# KiCad board pcb.kicad_pcb (continued)
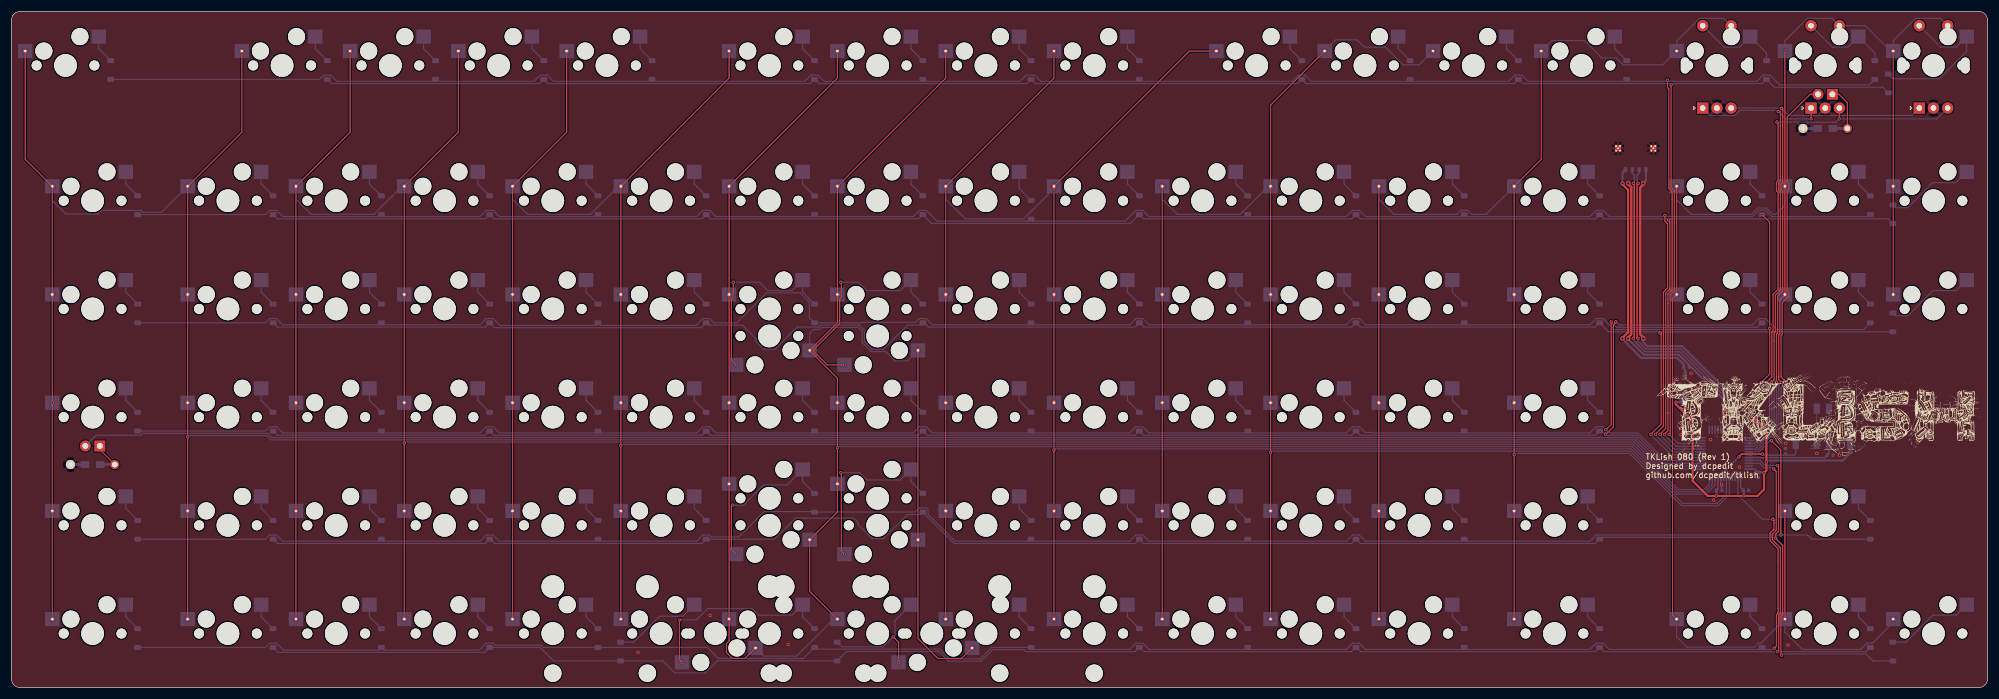
[diagram p0: board, top side]
## Nets (continued)
Net-(D93-A): D93.2 MX93.2
Net-(D94-A): D94.2 MX94.2 SWR2.S2
Net-(D95-A): D95.2 MX95.2
Net-(D96-A): D96.2 MX96.2
Net-(D97-A): D97.2 MX97.2
Net-(D98-A): D98.2 MX98.2
Net-(D99-A): D99.2 MX99.2
Net-(D100-A): D100.2 MX100.2 SWR3.S2
Net-(D101-A): D101.2 MX101.2
Net-(D102-A): D102.2 MX102.2
Net-(D103-A): D103.2 MX103.2
Net-(D104-A): D104.2 MX104.2
Net-(D105-A): D105.2 MX105.2
Net-(MX13-LEDGND): MX13.4 R2.1
Net-(MX94-LEDGND): MX94.4 R3.1

Pads without a net: U1 3 4 25 26 27 28 29 30

## Via types
v1: diameter 0.6, hole 0.3, Top to Bottom, 91 vias
v2: diameter 0.8, hole 0.4, Top to Bottom, 6 vias

## Routing (per net, layer and track width the routed paths; a pad name or vN(x,y) marks a point on that pad's centre or on a via; arc(x,y) is an arc through that point)
+3V3: length 86.4
  Top w0.381: v1(292.83,50.26) 292.83,49.88 295.75,46.96 v1(295.75,45.59) 295.75,36.42 298.42,33.75 v1(299.94,33.75) v1(304.77,33.75) 307.18,33.75 308.32,34.89 v1(308.32,37.81) 308.74,38.23 v1(308.74,39.75) 308.74,45.4 307.05,47.09 v1(305.78,47.09)
  Bottom w0.254: C9.2 304.74,46.93 304.22,46.41 U1.36 ; C6.1 304.22,35.22 U1.1 ; U1.48 306.73,38.49 C7.1 ; C4.1 296.3,43.99 U1.24 ; U1.9 300.22,35.01 C5.1
  Bottom w0.381: SW1.1 SW1.1 ; v1(295.75,45.59) C4.1 ; C5.1 299.94,34.74 v1(299.94,33.75) ; 293.53,53.01 293.53,51.75 C3.1 C2.1 v1(292.83,50.26) ; C6.1 304.77,34.67 v1(304.77,33.75) ; v1(308.32,37.81) 308.23,37.91 C7.1 ; v1(308.74,39.75) 308.96,39.98 322.17,39.98 323.51,41.32 323.51,42.91 ; v1(305.78,47.09) C9.2
+5V: length 45.4
  Top w0.381: v2(283.42,61.47) 283.42,61.59 284.4,62.56 284.4,87.63 283.42,88.6 v2(283.42,88.77)
  Bottom w0.381: C8.2 294.19,56.93 293.08,58.04 286.74,58.04 283.42,61.35 v2(283.42,61.47) ; 294.19,56.14 294.48,55.85 294.48,54.88 ; v2(283.42,88.77) 283.42,90.67 J1.1
GND: length 119.3
  Top w0.381: v2(284.42,61.47) 284.42,61.67 284.98,62.23 284.98,88.14 284.42,88.7 v2(284.42,88.77) ; v2(287.08,61.47) 287.08,61.67 286.52,62.23 286.52,88.01 287.08,88.57 v2(287.08,88.77)
  Bottom w0.2: SW2.1 SW2.1
  Bottom w0.254: U1.35 303.72,47.02 C9.1 ; U1.8 300.72,35.83 v1(300.86,35.69) 300.86,34.83 C5.2
  Bottom w0.381: 300.93,35.62 v1(300.86,35.69) ; v1(301.59,48.67) 301.59,50.35 295.52,56.42 C8.1 295.15,56.79 293.32,58.62 287.2,58.62 284.42,61.39 v2(284.42,61.47) 284.42,61.32 ; 294.69,59.36 303.34,50.7 v1(303.34,48.61) 303.23,48.72 ; 294.69,59.36 295.07,58.98 ; 294.69,59.36 293.94,60.11 287.81,60.11 287.08,60.85 v2(287.08,61.47) ; C2.2 C3.2 295.43,52 295.43,53.01 ; v2(287.08,88.77) 287.55,89.25 J1.4
  vias: v1(110.24,6.22) v1(122.94,12.7) v1(136.65,7.62) v1(293.72,45.69) v1(293.72,44.55) v1(295.5,55.34) v1(295.88,51.4) v1(295.88,50.26) v1(296.39,52.8) v1(298.93,43.66) v1(299.47,33.02) v1(300.45,38.83) v1(304.01,43.66) v1(304.01,38.83) v1(312.13,43.02) v1(312.55,7.49) v1(317.6,41.24) v1(321.6,40.93)
BOOT0: length 22.3
  Bottom w0.2: SW1.2 SW1.2
  Bottom w0.254: U1.44 319,40.49 R1.2 319.75,41.24 SW1.2
COL0: length 504.2
  Top w0.2: 31.01,44.2 MX19.1 MX18.1 MX17.1 40.54,97.79 MX16.1 ; 31.01,44.2 MX20.1 MX21.1 ; 31.01,44.2 v1(31.01,44.18) ; MX10.1 2.44,93.03 MX11.1 MX12.1 v1(7.2,50.17) MX14.1 MX15.1
  Bottom w0.2: MX17.1 30.99,88.27 26.41,83.68 23.17,83.68 22.82,84.03 15.91,84.03 15.26,83.38 9.58,83.38 7.2,85.76 MX11.1 ; U1.14 290.26,38.99 285.62,43.63 45.67,43.63 44.92,44.38 31.22,44.38 v1(31.01,44.18)
COL1: length 462.6
  Top w0.2: MX27.1 MX26.1 MX25.1 MX24.1 MX23.1 59.59,97.79 MX22.1 ; 69.11,43.05 MX31.1 MX30.1 MX29.1 69.11,88.29 78.64,97.82 MX28.1 ; 69.11,43.05 MX32.1 MX33.1 ; 69.11,43.05 v1(69.11,43.03)
  Bottom w0.2: U1.13 290.19,38.49 285.46,43.23 69.31,43.23 v1(69.11,43.03) ; MX29.1 68.72,88.27 63.79,83.33 52.73,83.33 50.06,86 MX23.1
COL2: length 432.9
  Top w0.2: 107.22,42.67 MX44.1 MX45.1 ; 107.22,42.67 v1(107.22,42.63) ; 107.22,42.67 MX43.1 MX42.1 MX41.1 126.27,107.32 MX40.1 ; MX39.1 MX38.1 MX37.1 MX36.1 MX35.1 97.69,97.79 MX34.1
  Bottom w0.2: v1(107.22,42.63) 107.41,42.83 285.29,42.83 293.25,34.87 297.78,34.87 298.72,35.81 U1.12 ; MX41.1 106.82,88.27 101.89,83.33 90.83,83.33 88.16,86 MX35.1
COL3: length 502.5
  Top w0.2: 145.31,42.16 v1(145.31,42.23) ; 145.31,42.16 MX55.1 145.31,54.46 140.43,59.34 MX48.15.1 145.31,64.25 MX54.1 MX53.1 164.36,107.32 MX52.1 ; 145.31,42.16 MX56.15.1 145.31,30.92 MX50.1 140.43,16.95 MX57.1 ; MX46.1 145.31,107.32 MX47.1 MX48.1 MX49.1 MX50.15.1 MX51.1 126.27,8.23 125.78,7.75 125.78,6.17 126.82,5.14 129.06,5.14 MX51.2.1 ; MX57.2.1 167.16,5.14 163,5.14 159.48,8.65 MX56.1 MX54.15.1
  Bottom w0.2: v1(145.31,42.23) 145.52,42.43 285.13,42.43 293.08,34.47 297.94,34.47 298.18,34.71 ; MX51.2.1 132.36,5.54 138.12,5.54 144.65,12.07 MX57.1 ; MX48.15.1 140.43,62.33 141.19,63.08 142.18,63.08 142.53,63.43 148.98,63.43 149.66,62.76 149.66,60.78 151.26,59.17 153.8,59.17 155.44,57.52 157.64,57.52 MX54.15.1 ; 298.18,34.71 299.22,35.75 U1.11
COL4: length 369.9
  Top w0.2: 183.41,41.53 v1(183.41,41.83) ; 183.41,41.53 MX68.1 MX69.1 ; 183.41,41.53 MX67.1 MX66.1 MX65.1 207.23,112.08 MX64.1 ; MX63.1 MX62.1 MX61.1 MX60.1 MX59.1 183.41,107.32 MX58.1
  Bottom w0.2: MX59.1 164.36,86 167.83,82.54 178.09,82.54 183.41,87.86 MX65.1 ; U1.10 299.72,35.68 298.58,34.54 298.11,34.07 292.92,34.07 284.96,42.03 183.61,42.03 v1(183.41,41.83)
COL5: length 315.2
  Top w0.2: 221.52,41.4 MX79.1 MX78.1 MX77.1 221.52,102.55 MX70.1 ; 221.52,41.4 v1(221.52,41.43) ; 221.52,41.4 MX80.1 MX81.1 ; MX75.1 MX74.1 MX73.1 MX72.1 MX71.1
  Bottom w0.2: U1.6 301.72,34.05 300.08,32.42 294,32.42 284.79,41.63 221.72,41.63 v1(221.52,41.43) ; MX71.1 202.47,86 205.13,83.33 216.19,83.33 221.12,88.27 MX77.1 ; MX70.1 233.01,114.05 236.73,114.05 238.01,112.77 241.71,112.77 244.83,109.64 247.66,109.64 MX76.1
COL6: length 294.5
  Top w0.2: 264.38,41.02 MX92.1 MX93.1 ; 264.38,41.02 v1(264.38,41.03) ; 264.38,41.02 MX91.1 MX90.1 MX89.1 269.14,93.03 MX82.1 ; MX87.1 MX86.1 MX85.1 MX84.1 MX83.1
  Bottom w0.2: SWR1.S1 301.24,117.84 297,117.84 292.95,113.79 MX88.1 290.52,109.64 283.56,109.64 282.34,110.87 279.78,110.87 276.72,113.93 270.99,113.93 MX82.1 ; MX83.1 240.56,86 243.23,83.33 254.29,83.33 254.99,84.03 256.19,84.03 256.89,83.33 259.44,83.33 MX89.1 ; U1.5 302.22,33.99 300.25,32.02 293.84,32.02 284.63,41.23 264.58,41.23 v1(264.38,41.03)
COL7: length 328.7
  Top w0.2: MX96.1 MX97.1 292.23,68.49 292.23,12.79 MX99.1 ; 310.91,54.99 310.91,54.21 v1(311.4,53.72) ; MX100.1 MX101.1 MX102.1 ; 310.92,54.74 310.92,62.11 311.12,62.31 311.12,68.33 312,69.22 v1(312,112.08) ; 312,31.12 312,12.06
  Bottom w0.2: U1.41 306.76,41.99 310.91,46.15 310.91,53.23 v1(311.4,53.72) ; v1(312,112.08) 312,113.88 315.96,117.84 320.29,117.84 SWR2.S1 326.13,116.54 330.59,112.08 MX100.1 331.05,113.88 335.01,117.84 339.34,117.84 SWR3.S1 ; MX96.1 292.95,85.89 295.51,83.33 306.11,83.33 307.21,84.43 308.74,84.43 309.84,83.33 310.39,83.33 312,84.95 312,88.27 ; MX99.1 292.95,8.93 294.75,7.13 306.68,7.13 307.38,7.83 307.77,7.83 312,12.06 312,9.8 315.07,6.73 325.37,6.73 325.37,6.78 326.43,7.83 327.41,7.83 331.05,11.48 MX104.1
D_N: length 56.7
  Top w0.254: v1(285.33,88.77) 285.5,88.6 285.5,61.64 v1(285.33,61.47)
  Bottom w0.254: v1(285.33,88.77) 285.5,88.95 285.5,90.21 285.15,90.56 J1.2 ; v1(285.33,61.47) 285.33,61.22 287.41,59.14 293.54,59.14 302.22,50.46 U1.32
D_P: length 56.6
  Top w0.254: v1(286.17,88.77) 286,88.6 286,61.64 v1(286.17,61.47)
  Bottom w0.254: v1(286.17,88.77) 286,88.95 286,90.21 286.35,90.56 J1.3 ; U1.33 302.72,50.6 293.72,59.59 287.6,59.59 286.17,61.02 v1(286.17,61.47)
LED_CAPS: length 287.4
  Bottom w0.2: MX13.3 14.9,44.43 22.82,44.43 23.17,44.78 45.09,44.78 45.84,44.03 285.79,44.03 290.33,39.49 U1.15
LED_SLCK: length 70.8
  Top w0.2: v1(312.29,53.72) 311.32,54.7 311.32,61.95 311.52,62.15 311.52,67.74 312.7,68.93 312.7,69.55 312.4,69.85 312.4,87.5 312.7,87.8 312.7,88.73 312.4,89.03 312.4,100.45 316.41,104.46 MX94.3
  Bottom w0.2: U1.42 306.83,41.49 311.31,45.98 311.31,52.74 v1(312.29,53.72)
NRST: length 23.1
  Top w0.254: v1(303.88,40.61) 304.39,41.12 v1(308.05,41.12)
  Bottom w0.2: SW2.2 SW2.2
  Bottom w0.254: SW2.2 313.9,41.23 313.62,40.95 312.33,40.95 C1.2 311.94,40.95 308.22,40.95 v1(308.05,41.12) ; U1.7 301.22,37.95 v1(303.88,40.61)
RE1: length 84.9
  Top w0.2: v1(309.63,53.72) 310.12,54.21 310.12,61.09 310.12,62.44 310.32,62.65 310.32,69.09 311.2,69.98 311.2,87.34 310.9,87.64 310.9,88.77 311.2,89.07 311.2,101.38 311.15,101.43 v1(310.82,101.43) ; SWR2.A 316.61,102.01 v1(316.61,100.14)
  Bottom w0.2: v1(309.63,53.72) 310.12,53.23 310.12,46.48 306.63,42.99 U1.39 ; v1(316.61,100.14) 312.12,100.14 v1(310.82,101.43) 310.62,101.64 304.08,101.64 303.18,100.74 298.84,100.74 SWR1.A
RE2: length 97.1
  Top w0.2: v1(310.51,53.72) 310.51,55.16 310.52,55.16 310.52,62.28 310.72,62.48 310.72,68.92 311.6,69.8 311.6,87.5 311.3,87.8 311.3,88.6 311.6,88.9 311.6,101.78 v1(311.4,101.98)
  Bottom w0.2: SWR3.A 334.34,100.74 312.65,100.74 v1(311.4,101.98) 311.35,102.04 SWR1.B ; U1.40 306.7,42.49 310.51,46.31 v1(310.51,53.72)
RE3: length 92.9
  Top w0.2: SWR2.B 321.56,102.01 v1(321.56,100.14) ; v1(308.74,53.72) 309.72,54.7 309.72,62.61 309.92,62.81 309.92,69.26 310.8,70.14 310.8,87.17 310.5,87.47 310.5,88.98 310.8,89.28 310.8,99.41 310.64,99.57 v1(310.6,99.57)
  Bottom w0.2: v1(310.6,99.57) 315.85,99.57 315.88,99.54 320.96,99.54 v1(321.56,100.14) 338.74,100.14 SWR3.B ; U1.38 306.57,43.49 309.72,46.64 309.72,52.74 v1(308.74,53.72)
ROW0: length 391.4
  Top w0.2: v1(290.83,44.58) 290.83,44.63 291.43,45.23 291.43,69.29 292.15,70.02 292.15,87.34 291.57,87.92 291.57,105.41 291.34,105.65 v1(291.34,106.94)
  Bottom w0.2: D10.1 54.21,107.09 54.96,107.84 56.16,107.84 57.26,106.74 74.26,106.74 D22.1 74.96,106.74 91.96,106.74 93.06,107.84 94.26,107.84 95.36,106.74 112.36,106.74 D34.1 113.06,106.74 139.59,106.74 140.69,107.84 141.89,107.84 142.99,106.74 159.99,106.74 D46.1 160.37,107.09 160.72,106.74 177.42,106.74 178.52,107.84 179.99,107.84 181.09,106.74 198.09,106.74 D58.1 198.79,106.74 225.31,106.74 226.41,107.84 227.61,107.84 228.71,106.74 245.71,106.74 D70.1 246.41,106.74 263.41,106.74 264.51,107.84 265.71,107.84 266.81,106.74 283.81,106.74 D82.1 284.51,106.74 290.83,106.74 ; 292.48,106.74 290.83,106.74 ; 292.48,106.74 291.54,106.74 v1(291.34,106.94) 291.14,106.74 290.83,106.74 ; 292.48,106.74 307.07,106.74 308.17,107.84 309.37,107.84 311.1,106.11 326.84,106.11 D94.1 ; U1.21 292.87,42.49 290.83,44.53 v1(290.83,44.58)
ROW1: length 364.4
  Top w0.2: v1(290.89,83.13) 290.89,82.15 291.35,81.68 291.35,70.36 290.63,69.64 290.63,46.03 289.23,44.63 v1(289.23,44.58)
  Bottom w0.2: U1.19 292.27,41.49 289.23,44.53 v1(289.23,44.58) ; 290.7,82.93 281.1,82.93 280,84.03 278.8,84.03 277.7,82.93 255.94,82.93 255.59,83.28 255.24,82.93 238.24,82.93 237.14,84.03 235.94,84.03 234.84,82.93 217.84,82.93 217.49,83.28 217.14,82.93 200.14,82.93 199.04,84.03 197.84,84.03 195.95,82.14 179.74,82.14 D59.1 179.04,82.14 162.83,82.14 160.94,84.03 159.74,84.03 158.64,82.93 141.64,82.93 141.29,83.28 140.94,82.93 123.94,82.93 122.84,84.03 121.64,84.03 120.54,82.93 103.54,82.93 103.19,83.28 102.84,82.93 85.84,82.93 84.74,84.03 83.54,84.03 82.44,82.93 65.44,82.93 65.09,83.28 64.74,82.93 47.74,82.93 46.64,84.03 45.44,84.03 44.69,83.28 22.22,83.28 ; 290.7,82.93 290.89,83.12 v1(290.89,83.13) 291.09,82.93 291.47,82.93 ; 290.7,82.93 291.47,82.93 ; 327.02,83.28 326.67,82.93 309.67,82.93 308.57,84.03 307.38,84.03 306.28,82.93 291.47,82.93
ROW2: length 344.2
  Top w0.2: v1(307.85,53.72) 309.32,55.19 309.32,81.94 v1(307.98,83.28)
  Bottom w0.2: v1(307.85,53.72) 309.32,52.25 309.32,46.81 306.5,43.99 U1.37 ; v1(309.32,63.24) 309.12,63.04 281.94,63.04 280,64.98 278.8,64.98 277.7,63.88 255.94,63.88 D84.1 255.24,63.88 238.24,63.88 237.14,64.98 235.94,64.98 234.84,63.88 217.84,63.88 D72.1 217.14,63.88 200.14,63.88 199.04,64.98 197.84,64.98 196.74,63.88 179.74,63.88 D60.1 179.04,63.88 162.04,63.88 160.94,64.98 159.74,64.98 159.09,64.33 149.71,64.33 149.61,64.23 D48.1 140.39,65.13 140.39,67.87 138.75,69.5 132.87,69.5 127.59,64.23 123.59,64.23 122.84,64.98 121.64,64.98 120.43,63.77 103.65,63.77 D36.1 102.73,63.77 85.94,63.77 84.74,64.98 83.54,64.98 82.44,63.88 65.44,63.88 D24.1 64.74,63.88 47.74,63.88 46.64,64.98 45.44,64.98 44.69,64.23 D12.1
ROW3: length 331.5
  Top w0.2: v1(281.44,64.39) 281.44,46.36 v1(280.5,45.43)
  Bottom w0.2: D97.1 307.19,63.44 282.38,63.44 v1(281.44,64.39) ; U1.17 290.46,40.49 286.12,44.83 281.1,44.83 v1(280.5,45.43) 280,45.93 278.8,45.93 277.7,44.83 255.9,44.83 255.59,45.15 D85.1 255.24,44.83 239.51,44.83 239.4,44.94 238.12,44.94 237.14,45.93 235.94,45.93 234.84,44.83 217.84,44.83 D73.1 217.14,44.83 200.14,44.83 199.04,45.93 197.84,45.93 196.74,44.83 179.7,44.83 179.39,45.15 D61.1 179.04,44.83 162.04,44.83 160.94,45.93 159.74,45.93 158.64,44.83 141.64,44.83 D49.1 140.94,44.83 123.94,44.83 122.84,45.93 121.64,45.93 120.54,44.83 103.54,44.83 D37.1 102.84,44.83 85.84,44.83 84.74,45.93 83.54,45.93 82.44,44.83 65.44,44.83 D25.1 64.74,44.83 47.74,44.83 46.64,45.93 45.44,45.93 44.69,45.18 D13.1
ROW4: length 338.5
  Top w0.2: v1(309.65,43.47) 311.28,41.84 v1(311.28,26.88)
  Bottom w0.2: U1.43 306.89,40.99 309.37,43.47 v1(309.65,43.47) ; D98.1 316.73,26.13 315.98,26.88 v1(311.28,26.88) 278.8,26.88 277.7,25.78 255.9,25.78 255.59,26.1 D86.1 255.24,25.78 238.24,25.78 237.14,26.88 235.94,26.88 234.84,25.78 217.84,25.78 D74.1 217.14,25.78 200.14,25.78 199.04,26.88 197.84,26.88 196.74,25.78 179.74,25.78 D62.1 179.04,25.78 166.02,25.78 161.24,30.56 161.24,31.34 160.94,31.64 159.74,31.64 159.01,30.92 141.31,30.92 D50.1 141.19,30.99 132.42,30.99 127.96,26.53 123.19,26.53 122.84,26.88 121.64,26.88 120.54,25.78 103.54,25.78 D38.1 102.84,25.78 85.84,25.78 84.74,26.88 83.54,26.88 82.44,25.78 65.44,25.78 D26.1 64.74,25.78 47.74,25.78 46.64,26.88 45.44,26.88 44.69,26.13 D14.1
ROW5: length 332.1
  Top w0.2: v1(310.11,6.93) 310.5,7.32 310.5,12.86 310.8,13.16 310.8,24.45 309.39,25.87 309.39,27.2 310.08,27.89 310.08,29.45 v1(309.88,29.65)
  Bottom w0.2: v1(309.88,29.65) 308.02,29.65 303.72,33.95 U1.2 ; v1(310.11,6.93) 309.91,6.73 308.33,6.73 D99.1 307.62,6.73 281.1,6.73 280,7.83 278.8,7.83 277.7,6.73 255.94,6.73 D87.1 255.24,6.73 238.24,6.73 237.14,7.83 235.94,7.83 234.84,6.73 217.84,6.73 D75.1 217.14,6.73 200.14,6.73 199.04,7.83 197.84,7.83 196.74,6.73 179.7,6.73 179.39,7.05 D63.1 172.45,7.08 170.43,5.06 165.02,5.06 163.3,6.78 141.59,6.78 D51.1 139.34,5.14 124.37,5.14 122.43,7.08 D39.1 93.57,7.08 93.17,7.48 85.09,7.48 84.74,7.83 83.54,7.83 82.33,6.62 65.55,6.62 D27.1 64.64,6.64 64.64,6.62 47.84,6.62 46.64,7.83 45.44,7.83 44.69,7.08 D15.1
ROW6: length 349.3
  Top w0.2: v1(291.97,106.14) 291.97,88.08 292.55,87.5 292.55,69.85 291.83,69.13 291.83,44.78 v1(291.63,44.58)
  Bottom w0.2: v1(291.63,44.58) 293.21,42.99 U1.22 ; D16.1 56.31,106.34 92.91,106.34 D28.1 94.41,106.34 140.54,106.34 D40.1 142.04,106.34 178.64,106.34 D52.1 180.14,106.34 226.26,106.34 D64.1 227.76,106.34 264.36,106.34 D76.1 265.86,106.34 291.21,106.34 ; D100.1 329.2,105.71 310.15,105.71 D88.1 308.02,106.34 292.48,106.34 ; 291.21,106.34 291.77,106.34 v1(291.97,106.14) 292.17,106.34 292.48,106.34 ; 291.21,106.34 292.48,106.34
ROW7: length 337.8
  Top w0.2: v1(290.03,44.58) 290.03,44.63 291.03,45.63 291.03,69.46 291.75,70.18 291.75,82.14 291.56,82.33 v1(291.55,82.33)
  Bottom w0.2: 291.21,82.53 291.85,82.53 ; 291.21,82.53 291.35,82.53 v1(291.55,82.33) 291.75,82.53 291.85,82.53 ; 291.21,82.53 280.18,82.53 279.43,83.28 279.4,83.28 278.65,82.53 237.29,82.53 236.54,83.28 235.79,82.53 199.19,82.53 198.44,83.28 196.89,81.74 161.88,81.74 160.34,83.28 159.59,82.53 122.99,82.53 122.24,83.28 121.49,82.53 84.89,82.53 84.14,83.28 83.39,82.53 46.79,82.53 46.04,83.28 ; 291.85,82.53 330.2,82.53 330.99,81.74 D101.1 ; v1(290.03,44.58) 290.03,44.53 292.57,41.99 U1.20
ROW8: length 327.4
  Top w0.2: v1(288.43,44.58) 288.43,44.63 290.23,46.43 290.23,62.24 v1(290.03,62.44)
  Bottom w0.2: v1(288.43,44.58) 288.43,44.53 291.97,40.99 U1.18 ; 289.81,62.64 280.99,62.64 D90.1 278.65,63.48 237.29,63.48 D78.1 235.79,63.48 199.19,63.48 D66.1 197.69,63.48 161.37,63.48 160.62,64.23 D54.1 159.94,63.83 157.67,63.83 153.4,59.57 151.43,59.57 150.06,60.94 150.06,62.92 149.15,63.83 142.37,63.83 142.02,63.48 138.23,63.48 134.32,59.57 132.38,59.57 131.01,60.94 131.01,61.4 128.57,63.83 122.64,63.83 D42.1 121.38,63.37 85,63.37 D30.1 83.39,63.48 46.79,63.48 D18.1 ; 289.81,62.64 290.32,62.64 ; 289.81,62.64 290.01,62.44 v1(290.03,62.44) 290.23,62.64 290.32,62.64 ; 290.32,62.64 D102.1
ROW9: length 324.5
  Top w0.2: v1(282.26,64.41) 282.11,64.26 282.11,64.16 281.84,63.88 281.84,45.91 280.56,44.63 v1(280.42,44.63)
  Bottom w0.2: U1.16 290.39,39.99 285.95,44.43 280.62,44.43 v1(280.42,44.63) 279.87,45.18 D91.1 278.65,44.43 237.29,44.43 D79.1 235.79,44.43 199.19,44.43 D67.1 197.69,44.43 161.09,44.43 D55.1 159.59,44.43 122.99,44.43 D43.1 121.49,44.43 84.89,44.43 D31.1 83.39,44.43 46.79,44.43 D19.1 ; D103.1 325.84,63.04 310.51,63.04 308.57,64.98 307.38,64.98 306.24,63.84 282.83,63.84 v1(282.26,64.41)
ROW10: length 334.8
  Top w0.2: v1(311.4,5.73) 311.3,5.83 311.3,12.53 311.6,12.83 311.6,25.07 v1(310.39,26.28) 310.39,27.07 310.88,27.56 310.88,38.92 v1(310.68,39.12)
  Bottom w0.2: v1(311.4,5.73) 311.6,5.93 326.26,5.93 327.49,4.7 D104.1 ; D20.1 46.79,25.38 83.39,25.38 D32.1 84.23,26.13 84.98,25.38 121.49,25.38 D44.1 134.25,26.13 137.97,29.84 148.17,29.84 148.95,29.06 148.95,28.71 151.43,26.23 153.4,26.23 157.65,30.48 159.92,30.48 D56.1 165.85,25.38 197.69,25.38 D68.1 199.19,25.38 235.79,25.38 D80.1 237.29,25.38 278.65,25.38 D92.1 279.75,26.48 310.19,26.48 v1(310.39,26.28) ; U1.45 307.65,39.99 308.52,39.12 v1(310.68,39.12)
ROW11: length 327.3
  Top w0.2: v1(310.7,6.34) 310.9,6.54 310.9,12.69 311.2,12.99 311.2,24.62 309.79,26.03 309.79,27.04 310.48,27.72 310.48,38.06 v1(310.02,38.52)
  Bottom w0.2: 310.77,6.33 326.27,6.33 D105.1 ; 310.77,6.33 280.15,6.33 D93.1 278.65,6.33 237.38,6.33 236.63,7.08 D81.1 235.79,6.33 199.19,6.33 D69.1 197.69,6.33 178.45,6.33 178.1,6.68 172.62,6.68 170.6,4.66 164.85,4.66 163.13,6.38 146.94,6.38 D57.1 139.1,4.7 139.06,4.74 124.19,4.74 122.05,2.59 116.71,2.59 114.6,4.7 D45.1 95.39,4.7 93.01,7.08 D33.1 83.28,6.22 46.9,6.22 D21.1 ; 310.77,6.33 310.71,6.33 v1(310.7,6.34) ; v1(310.02,38.52) 309.82,38.72 308.36,38.72 307.58,39.49 U1.46
Net-(D10-A): length 5.1
  Bottom w0.2: MX10.2 15.37,112.49 D10.2
Net-(D11-A): length 5.1
  Bottom w0.2: MX11.2 20.13,88.68 D11.2
Net-(D12-A): length 5.1
  Bottom w0.2: D12.2 20.13,69.63 MX12.2
Net-(D13-A): length 5.1
  Bottom w0.2: D13.2 20.13,50.58 MX13.2
Net-(D14-A): length 5.1
  Bottom w0.2: MX14.2 20.13,31.53 D14.2
Net-(D15-A): length 5.1
  Bottom w0.2: MX15.2 20.13,12.48 D15.2
Net-(D16-A): length 5.1
  Bottom w0.2: D16.2 53.47,112.49 MX16.2
Net-(D17-A): length 5.1
  Bottom w0.2: MX17.2 43.94,88.68 D17.2
Net-(D18-A): length 5.1
  Bottom w0.2: MX18.2 43.94,69.63 D18.2
Net-(D19-A): length 5.1
  Bottom w0.2: MX19.2 43.94,50.58 D19.2
Net-(D20-A): length 5.1
  Bottom w0.2: D20.2 43.94,31.53 MX20.2
Net-(D21-A): length 5.1
  Bottom w0.2: D21.2 43.94,12.48 MX21.2
Net-(D22-A): length 5.1
  Bottom w0.2: MX22.2 72.52,112.49 D22.2
Net-(D23-A): length 5.1
  Bottom w0.2: D23.2 62.99,88.68 MX23.2
Net-(D24-A): length 5.1
  Bottom w0.2: MX24.2 62.99,69.63 D24.2
Net-(D25-A): length 5.1
  Bottom w0.2: D25.2 62.99,50.58 MX25.2
Net-(D26-A): length 5.1
  Bottom w0.2: MX26.2 62.99,31.53 D26.2
Net-(D27-A): length 5.1
  Bottom w0.2: MX27.2 62.99,12.48 D27.2
Net-(D28-A): length 5.1
  Bottom w0.2: MX28.2 91.57,112.49 D28.2
Net-(D29-A): length 5.1
  Bottom w0.2: D29.2 82.04,88.68 MX29.2
Net-(D30-A): length 5.1
  Bottom w0.2: D30.2 82.04,69.63 MX30.2
Net-(D31-A): length 5.1
  Bottom w0.2: D31.2 82.04,50.58 MX31.2
Net-(D32-A): length 5.1
  Bottom w0.2: D32.2 82.04,31.53 MX32.2
Net-(D33-A): length 5.1
  Bottom w0.2: D33.2 82.04,12.48 MX33.2
Net-(D34-A): length 5.1
  Bottom w0.2: D34.2 110.62,112.49 MX34.2
Net-(D35-A): length 5.1
  Bottom w0.2: D35.2 101.09,88.68 MX35.2
Net-(D36-A): length 5.1
  Bottom w0.2: MX36.2 101.09,69.63 D36.2
Net-(D37-A): length 5.1
  Bottom w0.2: D37.2 101.09,50.58 MX37.2
Net-(D38-A): length 5.1
  Bottom w0.2: D38.2 101.09,31.53 MX38.2
Net-(D39-A): length 5.1
  Bottom w0.2: MX39.2 101.09,12.48 D39.2
Net-(D40-A): length 5.1
  Bottom w0.2: D40.2 139.19,112.49 MX40.2
Net-(D41-A): length 5.1
  Bottom w0.2: MX41.2 120.14,88.68 D41.2
Net-(D42-A): length 5.1
  Bottom w0.2: D42.2 120.14,69.63 MX42.2
Net-(D43-A): length 5.1
  Bottom w0.2: MX43.2 120.14,50.58 D43.2
Net-(D44-A): length 5.1
  Bottom w0.2: MX44.2 120.14,31.53 D44.2
Net-(D45-A): length 15.7
  Bottom w0.2: D45.2 109.46,8 114.03,12.57 118.11,12.57 MX45.2
Net-(D46-A): length 5.1
  Bottom w0.2: MX46.2 158.24,112.49 D46.2
Net-(D47-A): length 5.1
  Bottom w0.2: D47.2 139.19,88.68 MX47.2
Net-(D48-A): length 33.7
  Top w0.2: v1(127,71.37) 127,69.38 126.97,69.34 126.97,68.75 126.66,68.45 126.66,57.68 v1(127.51,56.83)
  Bottom w0.2: D48.2 139.19,69.63 MX48.2 137.34,69.9 133.06,69.9 131.59,71.37 v1(127,71.37)
Net-(D49-A): length 5.1
  Bottom w0.2: D49.2 139.19,50.58 MX49.2
Net-(D50-A): length 29.1
  Top w0.2: v1(126.86,32.13) 126.66,31.93 126.66,24.34 v1(127.51,23.5)
  Bottom w0.2: v1(126.86,32.13) 126.88,32.11 128.78,32.11 132.35,35.68 136.46,35.68 MX50.15.2 139.19,36.29 D50.2
Net-(D51-A): length 36.5
  Top w0.2: v1(117.6,11.94) 117.52,11.86 117.52,4.91 v1(117.98,4.45)
  Bottom w0.2: v1(117.6,11.94) 120.52,11.94 122.5,13.92 130.31,13.92 131.47,12.76 137.34,12.76 MX51.2 139.19,12.48 D51.2
Net-(D52-A): length 5.1
  Bottom w0.2: D52.2 177.29,112.49 MX52.2
Net-(D53-A): length 5.1
  Bottom w0.2: D53.2 158.24,88.68 MX53.2
Net-(D54-A): length 39.4
  Top w0.2: v1(145.91,71.37) 146.02,71.27 146.02,68.75 145.72,68.45 145.72,64.09 141.14,59.51 141.14,59.2 143.5,56.83 v1(146.56,56.83)
  Bottom w0.2: v1(145.91,71.37) 149.05,71.37 150.52,69.9 156.39,69.9 MX54.2 158.24,69.63 D54.2
Net-(D55-A): length 5.1
  Bottom w0.2: MX55.2 158.24,50.58 D55.2
Net-(D56-A): length 33.3
  Top w0.2: v1(145.91,37.85) 146.02,37.75 146.02,24.04 v1(146.56,23.5)
  Bottom w0.2: D56.2 158.24,36.29 MX56.15.2 156.39,36.57 150.52,36.57 149.24,37.85 v1(145.91,37.85)
Net-(D57-A): length 22.8
  Top w0.2: v1(155.14,8.95) 156.08,8 v1(156.08,4.45)
  Bottom w0.2: D57.2 146.08,7.18 153.37,7.18 v1(155.14,8.95) 155.45,9.26 155.45,11.81 MX57.2
Net-(D58-A): length 5.1
  Bottom w0.2: MX58.2 196.34,112.49 D58.2
Net-(D59-A): length 5.9
  Bottom w0.2: D59.2 177.29,87.88 MX59.2
Net-(D60-A): length 5.1
  Bottom w0.2: D60.2 177.29,69.63 MX60.2
Net-(D61-A): length 5.1
  Bottom w0.2: D61.2 177.29,50.58 MX61.2
Net-(D62-A): length 5.1
  Bottom w0.2: D62.2 177.29,31.53 MX62.2
Net-(D63-A): length 5.1
  Bottom w0.2: MX63.2 177.29,12.48 D63.2
Net-(D64-A): length 5.1
  Bottom w0.2: MX64.2 224.92,112.49 D64.2
Net-(D65-A): length 5.1
  Bottom w0.2: D65.2 196.34,88.68 MX65.2
Net-(D66-A): length 5.1
  Bottom w0.2: D66.2 196.34,69.63 MX66.2
Net-(D67-A): length 5.1
  Bottom w0.2: D67.2 196.34,50.58 MX67.2
Net-(D68-A): length 5.1
  Bottom w0.2: MX68.2 196.34,31.53 D68.2
Net-(D69-A): length 5.1
  Bottom w0.2: D69.2 196.34,12.48 MX69.2
Net-(D70-A): length 5.1
  Bottom w0.2: D70.2 243.97,112.49 MX70.2
Net-(D71-A): length 5.1
  Bottom w0.2: MX71.2 215.39,88.68 D71.2
Net-(D72-A): length 5.1
  Bottom w0.2: D72.2 215.39,69.63 MX72.2
Net-(D73-A): length 5.1
  Bottom w0.2: D73.2 215.39,50.58 MX73.2
Net-(D74-A): length 5.1
  Bottom w0.2: MX74.2 215.39,31.53 D74.2
Net-(D75-A): length 5.1
  Bottom w0.2: MX75.2 215.39,12.48 D75.2
Net-(D76-A): length 5.1
  Bottom w0.2: MX76.2 263.02,112.49 D76.2
Net-(D77-A): length 5.1
  Bottom w0.2: D77.2 234.44,88.68 MX77.2
Net-(D78-A): length 5.1
  Bottom w0.2: D78.2 234.44,69.63 MX78.2
Net-(D79-A): length 5.1
  Bottom w0.2: MX79.2 234.44,50.58 D79.2
Net-(D80-A): length 5.1
  Bottom w0.2: MX80.2 234.44,31.53 D80.2
Net-(D81-A): length 5.1
  Bottom w0.2: D81.2 234.44,12.48 MX81.2
Net-(D82-A): length 5.1
  Bottom w0.2: D82.2 282.07,112.49 MX82.2
Net-(D83-A): length 5.1
  Bottom w0.2: D83.2 253.49,88.68 MX83.2
Net-(D84-A): length 5.1
  Bottom w0.2: MX84.2 253.49,69.63 D84.2
Net-(D85-A): length 5.1
  Bottom w0.2: MX85.2 253.49,50.58 D85.2
Net-(D86-A): length 5.1
  Bottom w0.2: MX86.2 253.49,31.53 D86.2
Net-(D87-A): length 5.1
  Bottom w0.2: D87.2 253.49,12.48 MX87.2
Net-(D88-A): length 16.1
  Bottom w0.2: SWR1.S2 301.31,112.77 304.03,112.77 MX88.2 308.77,111.73 D88.2
Net-(D89-A): length 5.1
  Bottom w0.2: MX89.2 277.3,88.68 D89.2
Net-(D90-A): length 5.1
  Bottom w0.2: MX90.2 277.3,69.63 D90.2
Net-(D91-A): length 5.1
  Bottom w0.2: D91.2 277.3,50.58 MX91.2
Net-(D92-A): length 5.1
  Bottom w0.2: D92.2 277.3,31.53 MX92.2
Net-(D93-A): length 5.1
  Bottom w0.2: D93.2 277.3,12.48 MX93.2
Net-(D94-A): length 16.1
  Bottom w0.2: D94.2 327.82,111.73 MX94.2 323.08,112.77 320.36,112.77 SWR2.S2
Net-(D95-A): length 5.1
  Bottom w0.2: D95.2 324.93,88.68 MX95.2
Net-(D96-A): length 5.1
  Bottom w0.2: D96.2 305.88,88.68 MX96.2
Net-(D97-A): length 5.1
  Bottom w0.2: MX97.2 305.88,69.63 D97.2
Net-(D98-A): length 5.1
  Bottom w0.2: D98.2 324.93,31.53 MX98.2
Net-(D99-A): length 5.1
  Bottom w0.2: MX99.2 305.88,12.48 D99.2
Net-(D100-A): length 29.4
  Bottom w0.2: D100.2 331.02,107.19 339.14,107.19 343.98,112.03 MX100.2 342.13,112.77 339.41,112.77 SWR3.S2
Net-(D101-A): length 15.8
  Bottom w0.2: D101.2 331.49,84.5 333.6,84.5 338,88.9 342.07,88.9 MX101.2
Net-(D102-A): length 15.8
  Bottom w0.2: MX102.2 342.13,69.91 338.05,69.91 333.6,65.45 331.49,65.45 D102.2
Net-(D103-A): length 5.1
  Bottom w0.2: MX103.2 324.93,69.63 D103.2
Net-(D104-A): length 15.7
  Bottom w0.2: D104.2 333.26,8 338.02,12.76 342.13,12.76 MX104.2
Net-(D105-A): length 5.1
  Bottom w0.2: D105.2 324.93,12.48 MX105.2
Net-(MX13-LEDGND): length 4.4
  Top w0.2: R2.1 15.56,41.91 MX13.4
Net-(MX94-LEDGND): length 7.8
  Top w0.2: R3.1 322.99,102.98 321.51,104.46 MX94.4

## Copper pours and planes (outline as drawn; the poured copper is in the pictures)
GND on Top, Bottom: 0,119.06 347.66,119.06 347.66,0 0,0

## Text on the board
B.Silkscreen: RESET | BOOT
F.Silkscreen: TKLish 080 (Rev 1) / Designed by dcpedit / github.com/dcpedit/tklish
